# Altium PCB panneaucontrol_pcb.PcbDoc (continued)
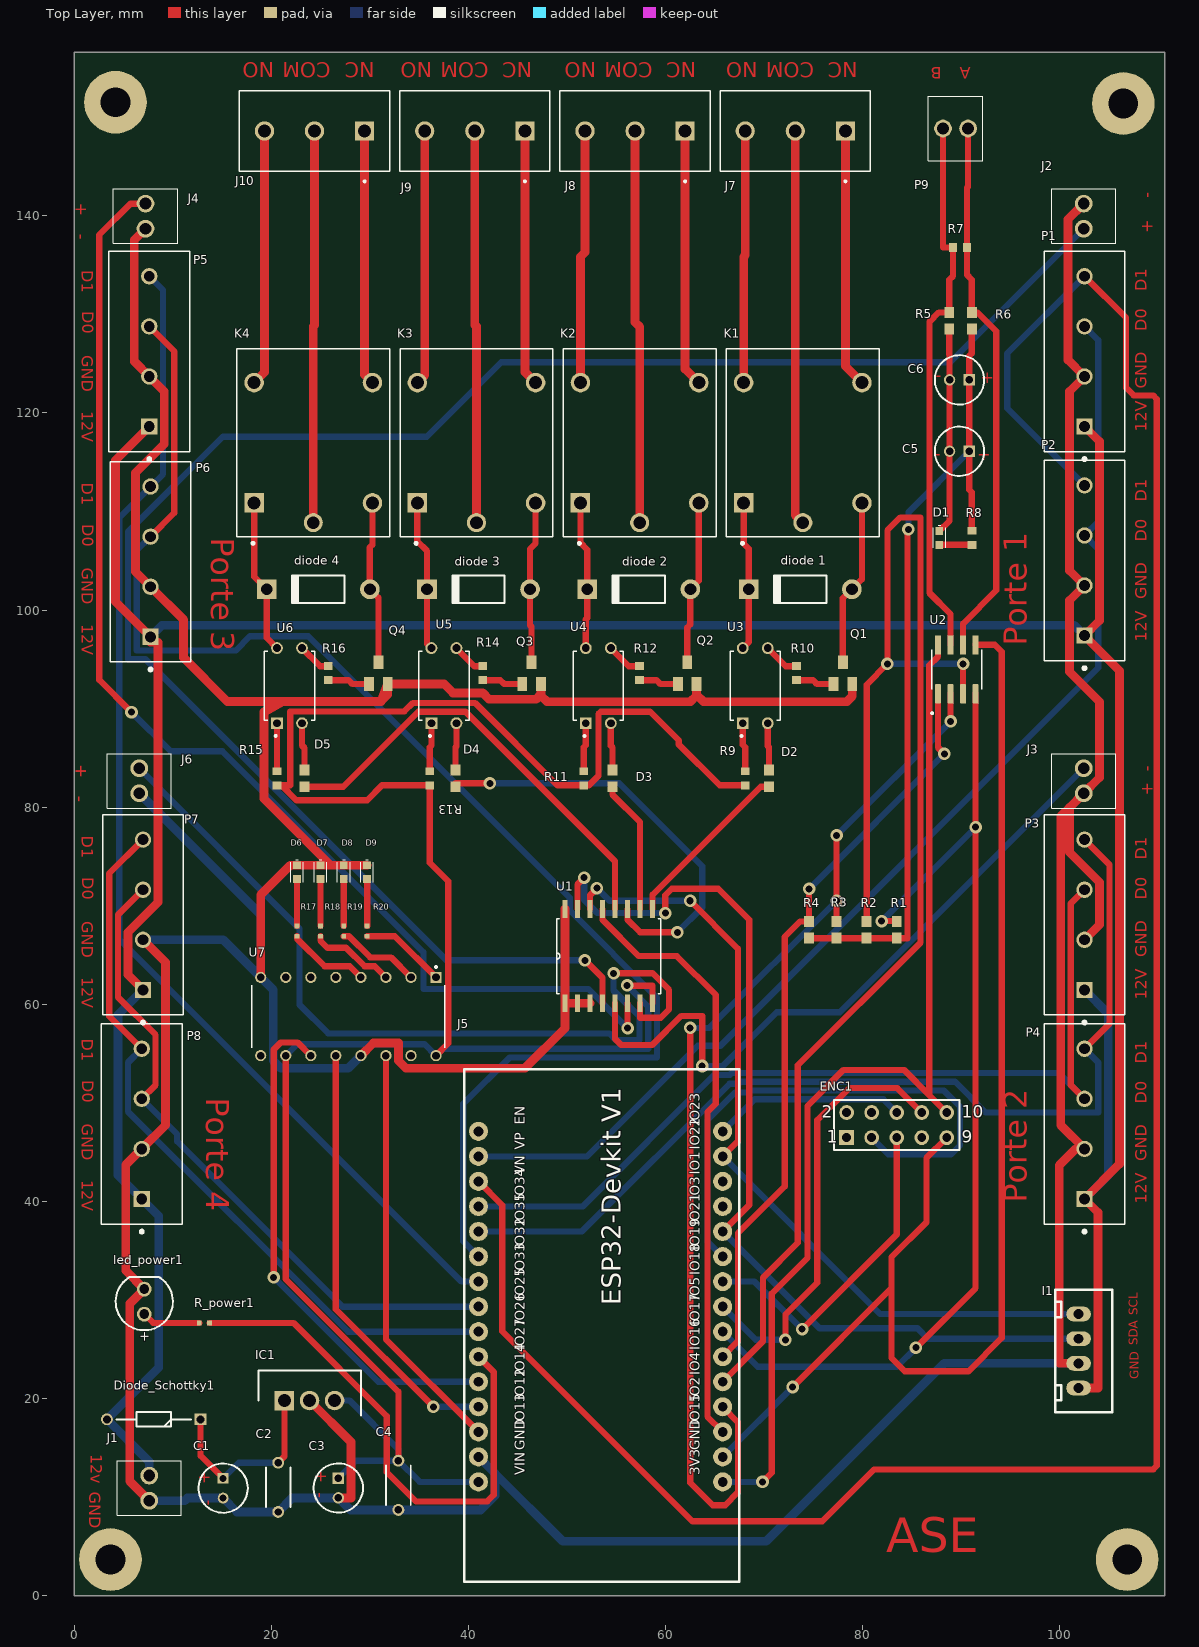
[diagram p0: Top Layer view]
## Part data
C1: library part 860010772002, "Capacitor Polarised", Manufacturer_Name="Wurth Elektronik", Mouser Part Number=710-860010772002, Datasheet Link=https://componentsearchengine.com/Datasheets/1/860010772002.pdf, Height=12.5mm, Manufacturer_Part_Number=860010772002, Mouser Price/Stock=https://www.mouser.co.uk/ProductDetail/Wurth-Elektronik/860010772002?qs=0KOYDY2FL2%2FXueoM4QQtRg%3D%3D
C2 C4: library part RDER71E104K0K1H03B, "Capacitor", Manufacturer_Name="Murata Electronics", Mouser Part Number=81-RDER71E104K0K1H3B, Arrow Part Number=RDER71E104K0K1H03B, Arrow Price/Stock=https://www.arrow.com/en/products/rder71e104k0k1h03b/murata-manufacturing?region=nac, Datasheet Link=https://psearch.en.murata.com/capacitor/product/RDER71E104K0K1H03B.html, Height=5mm, Manufacturer_Part_Number=RDER71E104K0K1H03B, Mouser Price/Stock=https://www.mouser.co.uk/ProductDetail/Murata-Electronics/RDER71E104K0K1H03B?qs=hNud%2FORuBR18qWStUKZMCw%3D%3D
C3 C5 C6: library part EEUFR1H100, "Capacitor Polarised", Manufacturer_Name=Panasonic, Arrow Part Number=EEUFR1H100, Arrow Price/Stock=https://www.arrow.com/en/products/eeufr1h100/panasonic?region=nac, Datasheet Link=http://industrial.panasonic.com/cdbs/www-data/pdf/RDF0000/ABA0000C1259.pdf, Height=12.5mm, Manufacturer_Part_Number=EEUFR1H100
D1 D6 D7 D8 D9: "LED RED CLEAR 0603 SMD", Digikey Part Number=160-1447-1-ND, Manufacturer Part Number=LTST-C191KRKT, PackageDescription="1.60mm L x 0.80mm W", PackageReference="0603 (1608 Metric)"
D2 D3 D4 D5: "Blue 470nm LED Indication - Discrete 2.8V 0603 _1608 Metric_", Package="0603 Lite-On", Digi-Key_Part_Number=160-1827-1-ND, Digi-Key_Purchase_URL=https://www.digikey.com/product-detail/en/lite-on-inc/LTST-C193TBKT-5A/160-1827-1-ND/2355044?utm_source=snapeda&utm_medium=aggregator&utm_campaign=symbol, MF="Lite-On Inc.", MP=LTST-C193TBKT-5A, SnapEDA_Link=https://www.snapeda.com/parts/LTST-C193TBKT-5A/Lite-On%20Inc./view-part/350303/?ref=snap
"diode 1" "diode 2" "diode 3" "diode 4": "1 Amp General Purpose Rectifier", PackageDescription="Diode, Axial; Body 5.2 x 2.7 mm (LxDia. max), Lead Dia. 0.86 mm (max)", PackageReference=DO-41
  "diode 1": Code_JEDEC=DO-204-AL, ComponentLink1Description="Manufacturer Link", ComponentLink1URL=http://www.fairchildsemi.com/, ComponentLink2Description=Datasheet, ComponentLink2URL=http://www.fairchildsemi.com/ds/1N%2F1N4001.pdf, DatasheetVersion=1998, LatestRevisionDate=17-Jul-2002, LatestRevisionNote="Re-released for DXP Platform.", PackageVersion=Aug-1999, Published=8-Jun-2000, Publisher="Altium Limited"
Diode_Schottky1: "Schottky Diode", Manufacturer_Name=Vishay, Mouser Part Number=625-SD103A, Arrow Part Number=SD103A-TR, Arrow Price/Stock=https://www.arrow.com/en/products/sd103a-tr/vishay?region=nac, Datasheet Link=https://componentsearchengine.com/Datasheets/5/SD103A-TR.pdf, Manufacturer_Part_Number=SD103A-TR, Mouser Price/Stock=https://www.mouser.co.uk/ProductDetail/Vishay-Semiconductors/SD103A-TR?qs=RwahMLkpD2urFD%2FzZdGOBw%3D%3D
ENC1: "Header, 5-Pin, Dual row", LatestRevisionDate=17-Jul-2002, LatestRevisionNote="Re-released for DXP Platform.", Publisher="Altium Limited"
I1: library part Connector_4Pin
IC1: "Integrated Circuit", Manufacturer_Name=STMicroelectronics, Mouser Part Number=511-L7805CV, Arrow Part Number=L7805CV, Arrow Price/Stock=https://www.arrow.com/en/products/l7805cv/stmicroelectronics?region=europe, Datasheet Link=http://www.st.com/web/en/resource/technical/document/datasheet/CD00000444.pdf, Height=4.6mm, Manufacturer_Part_Number=L7805CV, Mouser Price/Stock=https://www.mouser.co.uk/ProductDetail/STMicroelectronics/L7805CV?qs=9NrABl3fj%2FqplZAHiYUxWg%3D%3D
J1 J2 J3 J4 J6 P9: "Connector", Manufacturer_Name="TE Connectivity", Mouser Part Number=571-1546215-2, Arrow Part Number=1546215-2, Arrow Price/Stock=https://www.arrow.com/en/products/1546215-2/te-connectivity?region=nac, Datasheet Link=https://www.te.com/commerce/DocumentDelivery/DDEController?Action=srchrtrv&DocNm=1546215&DocType=Customer+Drawing&DocLang=English, Height=10.3mm, Manufacturer_Part_Number=1546215-2, Mouser Price/Stock=https://www.mouser.co.uk/ProductDetail/TE-Connectivity/1546215-2?qs=Lxq28tKK6BPmJFoAOY7Ljw%3D%3D
J5: "Dual core, Wi-Fi: 2.4 GHz up to 150 Mbits/s,BLE (Bluetooth Low Energy) and legacy Bluetooth, 32 bits, Up to 240 MHz", Package=Package, Availability=Unavailable, Check_prices=https://www.snapeda.com/parts/ESP32%20DEVKIT%20V1/Do%20it/view-part/5659245/?ref=eda, MF="Do it", MP="ESP32 DEVKIT V1", Price=None, SnapEDA_Link=https://www.snapeda.com/parts/ESP32%20DEVKIT%20V1/Do%20it/view-part/5659245/?ref=snap
J7 J8 J9 J10: "2~24 Poles, Screw Type, Horizontal, 5.08 Pitch, 26~14 (AWG), Terminal Block Connector", Package=None, Availability="In Stock", Check_prices=https://www.snapeda.com/parts/TB006-508-03BE/CUI+Devices/view-part/?ref=eda, CUI_purchase_URL=https://www.cuidevices.com/product/interconnect/connectors/terminal-blocks/tb006-508-series?utm_source=snapeda.com&utm_medium=referral&utm_campaign=snapedaBOM, MF="CUI Devices", MP=TB006-508-03BE, Price=None, Purchase-URL=https://pricing.snapeda.com/search/part/TB006-508-03BE/?ref=eda, SnapEDA_Link=https://www.snapeda.com/parts/TB006-508-03BE/CUI+Devices/view-part/?ref=snap
K1 K2 K3 K4: "5V Trigger Relay Module For Arduino And Raspberry Pi 5V Trigger Relay Module For Arduino And Raspberry Pi", Package="NON STANDARD-5 Songle Relay", Availability="Not in stock", Check_prices=https://www.snapeda.com/parts/SRD-05VDC-SL-C/Songle+Relay/view-part/?ref=eda, MF="Songle Relay", MP=SRD-05VDC-SL-C, Price=None, SnapEDA_Link=https://www.snapeda.com/parts/SRD-05VDC-SL-C/Songle+Relay/view-part/?ref=snap
led_power1: library part 15400585A3590, "WL-TIRW THT Infrared Round Waterclear, D5.8 x H8.6mm, 85mW/sr, Infrared, 1.5V, 35°", Emitting Color=Infrared, Forward Voltage=1.5V, Manufacturer="Wurth Elektronik", Operating Temperature Max=85°C, Operating Temperature Min=-40°C, Category="Infrared LEDs", Centroid Wavelength=845nm, Chip Technology=AlGaAs, ComponentLink1Description="Website Link", ComponentLink1URL=https://www.we-online.com/redexpert/article/15400585A3590?ad, ComponentLink2Description="Datasheet Link", ComponentLink2URL=https://www.we-online.com/redexpert/spec/15400585A3590?ad, Diameter=5.8mm, Height=8.6mm, Manufacturer Part Number=15400585A3590, Match Code=WL-TIRW, Mount="Through Hole", Packaging=Bulk, Peak Wavelength=850nm, Radiant Intensity=85mW/sr, Viewing Angle=35°
P1 P2 P3 P4 P5 P6 P7 P8: "4 Position Wire to Board Terminal Block Horizontal with Board 0.200 (5.08mm) Through Hole", Package=None, Availability="In Stock", Check_prices=https://www.snapeda.com/parts/282837-4/TE+Connectivity+AMP+Connectors/view-part/?ref=eda, EU_RoHS_Compliance="Compliant with Exemptions", MF="TE Connectivity", MP=282837-4, Price=None, Purchase-URL=https://pricing.snapeda.com/search/part/282837-4/?ref=eda, SnapEDA_Link=https://www.snapeda.com/parts/282837-4/TE+Connectivity+AMP+Connectors/view-part/?ref=snap
Q1 Q2 Q3 Q4: "â€¢ This device is designed for general purpose amplifier applications at collector currents to 300 mA. â€¢ Sourced from process 10.", Package="SOT-23 ON", Availability="In Stock", Check_prices=https://www.snapeda.com/parts/BCW31/Fairchild+Semiconductor/view-part/?ref=eda, MF="Fairchild Semiconductor", MP=BCW31, Price=None, Purchase-URL=https://pricing.snapeda.com/search/part/BCW31/?ref=eda, SnapEDA_Link=https://www.snapeda.com/parts/BCW31/Fairchild+Semiconductor/view-part/?ref=snap
R1 R2 R3 R4 R5 R6: library part RC0603JR-0710KA, "RESISTOR, THICK FILM, 10KOHM, 100mW, 5%", Package="0603 Yageo", Availability=Unavailable, MF=Yageo, MP=RC0603JR-0710KA, Price=None, SnapEDA_Link=https://www.snapeda.com/parts/RC0603JR-0710KA/Yageo/view-part/947164/?ref=snap
R7 R8 R9 R10 R11 R12 R13 R14 R15 R16: "Resistor", PackageDescription="Axial Device, Thru-Hole; 2 Leads; 0.3 in Pin Spacing", PackageReference=AXIAL-0.3
R17 R18 R19 R20 R_power1 U2 U7: Package=None, Availability=Unavailable, Price=None
  R17 R18 R19 R20 R_power1: MP=ERA2APB221X
  U2: MP=MAX485CSA
  U7: MP=SN74HC595N
U1: "I/O Expander 8 IÂ²C 100 kHz 20-SSOP", Package="SOIC-16 NXP Semiconductors", Availability="In Stock", Check_prices=https://www.snapeda.com/parts/PCF8574T/NXP+Semiconductors/view-part/?ref=eda, MF="NXP Semiconductors", MP=PCF8574T, Price=None, Purchase-URL=https://pricing.snapeda.com/search/part/PCF8574T/?ref=eda, SnapEDA_Link=https://www.snapeda.com/parts/PCF8574T/NXP+Semiconductors/view-part/?ref=snap
U3 U4 U5 U6: "Optoisolator Transistor Output 5000Vrms 1 Channel 4-DIP", Package="DIP-4 Lite-On Inc.", Digi-Key_Part_Number=160-2037-5-ND, Digi-Key_Purchase_URL=https://www.digikey.bg/product-detail/en/lite-on-inc/LTV-817-A/160-2037-5-ND/3199509?utm_source=snapeda&utm_medium=aggregator&utm_campaign=symbol, MF="Lite-On Inc.", MP=LTV-817-A, SnapEDA_Link=https://www.snapeda.com/parts/LTV-817-A/Lite-On%20Inc./view-part/3215369/?ref=snap

## Free pads (board coordinates)
  round 6.35 hole 3: 1(4.191,151.511) 2(106.426,151.384) 3(106.807,3.683) 4(3.683,3.683)

## Via types
v1: diameter 1.27, hole 0.711, Top Layer to Bottom Layer, 30 vias

## Nets (pads, with @x,y where several pads share a name; then routed paths per layer and width w, separated by ;. In a path a pad name is that pad's centre, name@x,y a point inside that pad or via, vN(x,y) a via of type N, cw(c..) or ccw(c..) an arc to the next point about the centre after c; other vN are vias at no path point)
5v: C3.1 C4.1 IC1.3 J5.30 R9.2 R11.2 R13.2 R15.2 U1.8 U7.10 U7.16 | length 235
  Top Layer w0.635: R15.2 21.031,82.22 ; U7.10 21.463,32.131 32.893,20.701 C4.1 ; U7.16 37.948,56.043 37.948,72.492 36.068,74.371 R13.2 31.23,82.22 29.718,80.708 22.543,80.708 21.031,82.22 ; v1(56.083,61.925) 56.134,61.874 58.674,61.874 U1.8 ; R9.2 65.481,82.22 61.341,86.36 61.341,86.769 58.42,89.69 53.419,89.69 53.188,89.459 53.188,83.185 52.222,82.22 R11.2 49.022,82.22 40.662,90.579 34.369,90.579 33.503,89.713 21.92,89.713 21.92,82.22 21.031,82.22
  Bottom Layer w0.635: U7.10 22.621,55.956 35.545,55.956 U7.16 37.391,55.486 58.229,55.486 58.229,59.779 v1(56.083,61.925) ; IC1.3 27.94,19.812 32.893,14.859 C4.1 ; C3.1 28.575,13.716 C4.1 ; J5.30 35.052,11.557 C4.1
12v: Diode_Schottky1.2 I1.1 J1.1 P1.1 P2.1 P3.1 P4.1 P5.1 P6.1 P7.1 P8.1 | length 341.8
  Top Layer w0.889: P7.1 5.461,62.992 5.461,67.31 8.509,70.358 8.509,96.723 7.747,96.723 P6.1 4.191,100.838 4.191,115.189 P5.1 ; I1.1 103.861,21.082 103.861,38.887 P4.1 106.045,43.815 106.045,93.853 P2.1 104.013,98.933 104.013,117.094 P1.1
  Bottom Layer w0.889: P7.1 4.445,58.928 4.445,42.672 P8.1 8.585,38.532 8.585,23.165 Diode_Schottky1.2 7.62,13.614 J1.1 ; P6.1 8.915,98.45 101.448,98.45 P2.1 ; P4.1 104.902,42.672 104.902,59.055 P3.1
+5: C5.1 C6.1 R1.1 R2.1 R3.1 R4.1 R6.1 R8.1 | length 82.6
  Top Layer w0.635: R4.1 R3.1 R2.1 R1.1 84.531,66.714 84.531,108.077 v1(84.633,108.179) ; R8.1 91.059,111.938 90.805,112.192 C5.1 C6.1 90.805,125.781 91.059,126.035 R6.1
  Bottom Layer w0.635: v1(84.633,108.179) 84.633,109.934 C5.1
GND: C5.2 C6.2 D1.2 R5.2 | length 20.9
  Top Layer w0.635: D1.2 88.805,109.063 C5.2 C6.2 88.805,125.882 88.773,125.914 R5.2
GND_1: C1.2 C2.2 C3.2 C4.2 D6.2 D7.2 D8.2 D9.2 I1.2 IC1.2 J1.2 J2.2 J3.2 J4.2 J5.29 J6.2 led_power1.1 P1.2 P2.2 P3.2 P4.2 P5.2 P6.2 P7.2 P8.2 Q1.E Q2.E Q3.E Q4.E U1.1 U1.2 U1.3 U1.16 U7.8 U7.13 | length 593.4
  Top Layer w0.889: P7.2 9.271,64.262 9.271,47.752 P8.2 5.232,43.713 5.232,32.995 led_power1.1 5.639,29.642 5.639,11.633 J1.2 ; J4.2 6.096,137.541 6.096,125.222 P5.2 9.144,122.174 9.144,116.84 6.223,113.919 6.223,103.886 P6.2 11.1,99.009 11.1,95.148 15.519,90.729 21.133,90.729 ; U7.8 18.923,71.12 21.909,74.106 D6.2 D7.2 25.995,74.106 ; IC1.2 28.092,15.596 28.092,9.938 C3.2 ; U7.13 30.368,56.083 32.893,56.083 32.893,54.28 33.655,53.518 45.72,53.518 49.784,57.582 U1.1 ; D9.2 28.524,74.106 D8.2 26.162,74.106 25.995,74.106 ; Q3.E 47.347,91.44 ; U1.16 U1.1 ; U1.3 U1.2 U1.1 ; Q2.E 63.138,91.421 ; Q1.E 78.928,91.247 78.387,90.706 63.853,90.706 63.138,91.421 ; I1.2 99.924,23.582 99.924,43.663 101.6,45.339 P4.2 100.076,47.752 100.076,79.071 100.965,79.96 ; J2.2 100.813,139.625 100.813,125.374 P1.2 100.965,122.174 100.965,104.013 P2.2 100.965,100.965 100.965,93.751 104.013,90.703 104.013,83.008 J3.2 100.965,79.96 ; P3.2 104.013,68.072 104.013,72.39 100.965,75.438 100.965,79.96 ; 21.133,90.729 31.115,90.729 ; 21.133,90.729 19.253,89.662 19.253,80.848 25.995,74.106 ; 31.115,90.729 Q4.E ; 31.115,90.729 31.811,91.425 Q4.E ; Q4.E 31.811,92.507 37.516,92.507 38.427,91.595 41.439,91.595 42.084,90.951 46.858,90.951 47.347,91.44 ; 47.347,91.44 47.347,91.337 47.978,90.706 62.512,90.706 63.138,91.332 63.138,91.421
  Bottom Layer w0.889: J6.2 18.923,69.088 U7.8 ; P7.2 15.113,66.548 U7.8 ; J1.2 11.227,9.652 11.497,9.922 C1.2 16.526,8.509 C2.2 22.13,9.938 C3.2 28.019,8.716 C4.2 41.253,8.716 42.697,10.16 42.697,12.416 ; U7.13 27.803,53.518 20.955,53.518 20.193,54.28 20.193,61.468 U7.8 ; J5.29 42.697,12.416 ; I1.2 88.25,23.582 70.206,5.537 49.576,5.537 42.697,12.416
NetC1_1: C1.1 C2.1 Diode_Schottky1.1 IC1.1 | length 19.7
  Top Layer w0.635: Diode_Schottky1.1 12.827,14.208 C1.1 ; C2.1 21.326,14.134 IC1.1
  Bottom Layer w0.635: C1.1 16.7,13.509 C2.1
NetD1_1: D1.1 R8.2 | length 3.3
  Top Layer w0.635: D1.1 R8.2
NetD2_1: D2.1 U1.9 | length 17.8
  Top Layer w0.635: U1.9 58.674,71.12 69.635,82.081 D2.1
NetD2_2: D2.2 U3.2 | length 4.8
  Top Layer w0.635: U3.2 70.358,86.208 70.485,86.081 D2.2
NetD3_1: D3.1 U1.10 | length 13.6
  Top Layer w0.635: D3.1 54.61,81.28 57.404,78.486 U1.10
NetD3_2: D3.2 U4.2 | length 4.8
  Top Layer w0.635: U4.2 54.441,86.225 54.61,86.055 D3.2
NetD4_1: D4.1 U1.11 | length 43.3
  Top Layer w0.635: D4.1 38.693,82.423 v1(42.164,82.423) ; U1.11 56.134,68.58 57.404,67.31 v1(61.189,67.31)
  Bottom Layer w0.635: v1(42.164,82.423) 55.296,82.423 63.703,74.016 63.703,69.825 v1(61.189,67.31)
NetD4_2: D4.2 U5.2 | length 4.8
  Top Layer w0.635: D4.2 38.693,86.106 38.777,86.191 U5.2
NetD5_1: D5.1 U1.12 | length 45.8
  Top Layer w0.635: D5.1 27.29,82.081 34.9,89.69 39.697,89.69 54.864,74.524 U1.12
NetD5_2: D5.2 U6.2 | length 4.8
  Top Layer w0.635: U6.2 23.114,86.258 23.368,86.004 D5.2
NetD6_1: D6.1 R17.1 | length 4.8
  Top Layer w0.635: R17.1 D6.1
NetD7_1: D7.1 R18.1 | length 4.8
  Top Layer w0.635: R18.1 D7.1
NetD8_1: D8.1 R19.1 | length 4.8
  Top Layer w0.635: R19.1 D8.1
NetD9_1: D9.1 R20.1 | length 4.8
  Top Layer w0.635: R20.1 D9.1
"Netdiode 1_1": "diode 1.1" K1.A2 Q1.C | length 17
  Top Layer w0.635: Q1.C 77.978,101.196 78.89,102.108 79.914,103.132 K1.A2
"Netdiode 1_2": "diode 1.2" K1.A1 U3.4 | length 15.2
  Top Layer w0.635: U3.4 68.43,96.751 68.43,102.108 68.43,106.223 67.914,106.739 K1.A1
"Netdiode 2_1": "diode 2.1" K2.A2 Q2.C | length 16.7
  Top Layer w0.635: Q2.C 62.188,98.222 62.507,98.541 62.507,102.108 63.362,102.963 K2.A2
"Netdiode 2_2": "diode 2.2" K2.A1 U4.4 | length 15.1
  Top Layer w0.635: K2.A1 51.362,106.807 52.047,106.121 52.047,102.108 52.047,99.181 51.901,99.035 U4.4
"Netdiode 3_1": "diode 3.1" K3.A2 Q3.C | length 16.5
  Top Layer w0.635: Q3.C 46.397,98.323 46.251,98.47 46.251,102.108 46.251,106.197 46.809,106.756 K3.A2
"Netdiode 3_2": "diode 3.2" K3.A1 U5.4 | length 15.3
  Top Layer w0.635: K3.A1 34.809,106.976 35.791,105.994 35.791,102.108 35.791,96.585 U5.4
"Netdiode 4_1": "diode 4.1" K4.A2 Q4.C | length 16.6
  Top Layer w0.635: K4.A2 30.257,106.612 29.995,106.35 29.995,102.108 30.861,101.242 Q4.C
"Netdiode 4_2": "diode 4.2" K4.A1 U6.4 | length 15.7
  Top Layer w0.635: K4.A1 18.257,103.386 19.535,102.108 19.535,97.178 U6.4
NetENC1_3: ENC1.3 J5.10 | length 56
  Bottom Layer w0.635: J5.10 64.237,35.966 64.237,48.26 67.043,51.067 68.479,51.067 68.669,51.257 88.24,51.257 89.865,49.632 89.865,45.72 88.951,44.806 82.575,44.806 ENC1.3
NetENC1_5: ENC1.5 J5.9 | length 33.5
  Top Layer w0.635: v1(73.838,27.051) 83.439,36.652 ENC1.5
  Bottom Layer w0.635: J5.9 69.012,31.877 v1(73.838,27.051)
NetENC1_6: ENC1.6 J5.15 | length 19.6
  Bottom Layer w0.635: J5.15 69.037,50.368 82.093,50.368 ENC1.6
NetENC1_8: ENC1.8 J5.8 | length 44.4
  Top Layer w0.635: v1(72.15,25.973) 72.15,28.513 75.387,31.75 75.387,48.26 78.638,51.511 83.49,51.511 ENC1.8
  Bottom Layer w0.635: J5.8 69.15,25.973 v1(72.15,25.973)
NetENC1_9: ENC1.9 J5.2 U2.5 | length 134.6
  Top Layer w0.635: v1(72.873,21.184) 82.906,31.217 ; ENC1.9 86.462,44.425 86.462,37.897 82.906,34.341 82.906,31.217 ; U2.5 91.44,96.469 93.396,96.469 94.107,95.758 94.107,26.162 90.729,22.784 84.252,22.784 82.906,24.13 82.906,31.217
  Bottom Layer w0.635: J5.2 v1(72.873,21.184)
NetENC1_10: ENC1.10 J5.1 U2.8 | length 107.5
  Top Layer w0.635: v1(69.825,11.557) 70.764,12.497 70.764,30.658 74.397,34.29 74.397,49.7 78.037,53.34 84.201,53.34 86.741,50.8 ; U2.8 87.63,95.275 86.741,94.386 86.741,50.8 ; ENC1.10 86.741,50.8
  Bottom Layer w0.635: J5.1 v1(69.825,11.557)
NetI1_3: I1.3 J5.11 U1.15 | length 99.7
  Top Layer w0.635: U1.15 51.054,72.161 v1(51.74,72.847) ; v1(59.969,69.266) 59.969,71.069 60.63,71.73 65.329,71.73 68.478,68.58 68.478,39.649 J5.11
  Bottom Layer w0.635: v1(51.74,72.847) 51.74,70.587 53.061,69.266 v1(59.969,69.266) ; J5.11 75.606,27.137 85.547,27.137 86.601,26.082 I1.3
NetI1_4: I1.4 J5.14 U1.14 | length 83.7
  Top Layer w0.635: U1.14 52.324,71.069 v1(53.035,71.78) ; v1(62.484,70.51) 67.335,65.659 67.335,46.126 J5.14
  Bottom Layer w0.635: v1(53.035,71.78) 54.305,70.51 v1(62.484,70.51) ; J5.14 81.781,28.582 I1.4
NetJ2_1: J2.1 U1.4 | length 186.7
  Top Layer w0.635: v1(51.816,64.465) 53.594,62.687 U1.4
  Bottom Layer w0.635: v1(51.816,64.465) 37.77,64.465 7.239,94.996 5.461,94.996 5.461,107.95 15.088,117.577 35.763,117.577 43.332,125.146 88.874,125.146 J2.1
NetJ3_1: J3.1 U1.5 | length 70.2
  Top Layer w0.635: U1.5 54.864,56.515 55.499,55.88 58.658,55.88 61.605,58.826 63.703,58.826 v1(63.703,53.746)
  Bottom Layer w0.635: v1(63.703,53.746) 65.811,53.746 71.272,59.207 77.672,59.207 J3.1
NetJ4_1: J4.1 U1.6 | length 124.1
  Top Layer w0.635: v1(5.817,89.637) 2.54,92.913 2.54,138.049 5.715,141.224 J4.1 ; v1(56.134,57.582) U1.6
  Bottom Layer w0.635: v1(5.817,89.637) 9.779,85.674 15.037,85.674 35.433,65.278 35.433,61.57 52.146,61.57 v1(56.134,57.582)
NetJ5_3: J5.3 U1.13 | length 61
  Top Layer w0.635: U1.13 53.594,68.58 57.277,64.897 61.138,64.897 65.075,60.96 65.075,49.911 64.237,49.073 64.237,18.186 J5.3
NetJ5_4: J5.4 R3.2 U2.2 | length 109.9
  Top Layer w0.635: v1(62.489,57.607) 62.489,11.476 64.77,9.195 66.04,9.195 67.335,10.49 67.335,17.628 J5.4 ; R3.2 v1(77.343,70.51) v1(77.343,77.14) ; v1(88.9,88.697) U2.2
  Bottom Layer w0.635: v1(62.489,57.607) 64.44,57.607 v1(77.343,70.51) ; v1(77.343,77.14) v1(88.9,88.697)
NetJ5_5: J5.5 R2.2 U2.3 | length 151.1
  Top Layer w0.635: J5.5 69.875,25.806 69.875,32.283 73.406,35.814 73.406,53.823 85.852,66.269 85.852,109.398 83.82,109.398 82.499,108.077 v1(82.499,94.539) 80.391,92.431 R2.2 ; U2.3 v1(90.17,94.539)
  Bottom Layer w0.635: v1(82.499,94.539) v1(90.17,94.539)
NetJ5_6: J5.6 R4.2 U2.1 | length 77.3
  Top Layer w0.635: J5.6 67.335,25.806 67.335,36.779 72.085,41.529 72.085,66.839 73.66,68.414 R4.2 v1(74.549,71.704) ; U2.1 87.63,86.055 v1(88.265,85.42)
  Bottom Layer w0.635: v1(74.549,71.704) v1(88.265,85.42)
NetJ5_7: J5.7 R1.2 U2.4 | length 105.8
  Top Layer w0.635: v1(81.915,68.453) 83.439,68.453 R1.2 ; v1(85.395,25.171) 91.44,31.217 v1(91.44,77.978) U2.4
  Bottom Layer w0.635: J5.7 69.342,23.241 83.464,23.241 v1(85.395,25.171) ; v1(81.915,68.453) v1(91.44,77.978)
NetJ5_17: J5.17 P1.3 P2.3 | length 119.8
  Bottom Layer w0.635: J5.17 52.031,44.577 63.265,55.811 65.565,55.811 103.886,94.132 103.886,106.172 P2.3 103.886,108.966 103.886,127.381 P1.3
NetJ5_18: J5.18 P1.4 P2.4 | length 245.4
  Top Layer w0.635: J5.18 43.434,39.619 43.434,26.848 62.713,7.569 75.895,7.569 81.153,12.827 109.458,12.827 109.83,13.199 109.83,121.396 109.458,121.768 107.493,121.768 106.705,122.555 106.705,129.642 P1.4
  Bottom Layer w0.635: P2.4 94.666,120.472 94.666,126.035 P1.4
NetJ5_19: J5.19 P3.3 P4.3 | length 90.5
  Top Layer w0.635: P4.3 101.092,51.816 101.092,70.231 P3.3
  Bottom Layer w0.635: J5.19 51.578,39.497 64.926,52.845 66.51,52.845 66.701,53.035 99.873,53.035 P4.3
NetJ5_20: J5.20 P3.4 P4.4 | length 100.8
  Top Layer w0.635: P4.4 105.029,58.039 105.029,74.168 P3.4
  Bottom Layer w0.635: J5.20 51.486,36.957 66.484,51.956 67.399,51.956 67.59,52.146 89.357,52.146 92.481,49.022 103.886,49.022 103.886,54.102 P4.4
NetJ5_21: J5.21 P5.3 P6.3 | length 148.6
  Top Layer w0.635: P5.3 10.16,126.238 10.16,109.855 P6.3
  Bottom Layer w0.635: P6.3 6.35,106.045 6.35,95.885 16.383,95.885 17.831,97.333 23.749,97.333 50.26,70.822 50.26,69.538 59.118,60.679 59.118,54.597 44.158,54.597 39.472,49.911 39.472,35.961 J5.21
NetJ5_22: J5.22 P5.4 P6.4 | length 120.5
  Bottom Layer w0.635: P5.4 9.017,132.461 9.017,113.792 P6.4 4.572,109.347 4.572,66.598 39.294,31.877 J5.22
NetJ5_23: J5.23 P7.3 P8.3 | length 67.7
  Top Layer w0.635: P8.3 8.255,51.816 8.255,56.896 4.445,60.706 4.445,69.088 P7.3
  Bottom Layer w0.635: P8.3 10.439,46.838 10.439,46.126 27.229,29.337 J5.23
NetJ5_24: J5.24 P7.4 P8.4 | length 75.8
  Top Layer w0.635: P8.4 3.556,58.801 3.556,73.279 P7.4
  Bottom Layer w0.635: P8.4 5.461,54.102 5.461,49.123 27.788,26.797 J5.24
NetJ5_25: J5.25 R_power1.1 | length 54.6
  Top Layer w0.635: R_power1.1 22.25,27.686 31.699,18.237 31.699,12.548 34.671,9.576 41.91,9.576 42.57,10.236 42.57,22.703 J5.25
NetJ5_26: J5.26 U7.11 | length 52.9
  Top Layer w0.635: v1(20.244,32.309) 20.244,55.423 20.955,56.134 22.667,56.134 U7.11
  Bottom Layer w0.635: v1(20.244,32.309) 30.836,21.717 J5.26
NetJ5_27: J5.27 U7.12 | length 44.3
  Top Layer w0.635: U7.12 26.543,29.083 v1(36.449,19.177)
  Bottom Layer w0.635: v1(36.449,19.177) J5.27
NetJ5_28: J5.28 U7.14 | length 42.1
  Top Layer w0.635: U7.14 31.623,26.03 J5.28
NetJ6_1: J6.1 U1.7 | length 87.6
  Top Layer w0.635: v1(54.712,63.144) 58.674,63.144 60.35,61.468 60.35,59.487 59.512,58.649 57.404,58.649 U1.7
  Bottom Layer w0.635: J6.1 22.86,67.691 22.86,59.969 25.781,57.048 54.28,57.048 54.953,56.375 57.34,56.375 57.34,58.776 54.712,61.404 v1(54.712,63.144)
NetJ7_1: J7.1 K1.NO | length 26.2
  Top Layer w0.889: J7.1 78.232,124.749 K1.NO
NetJ7_2: J7.2 K1.COM | length 40
  Top Layer w0.889: J7.2 73.152,109.629 K1.COM
NetJ7_3: J7.3 K1.NC | length 25.6
  Top Layer w0.889: K1.NC 67.914,135.839 68.072,135.997 J7.3
NetJ8_1: J8.1 K2.NO | length 26.1
  Top Layer w0.889: J8.1 61.976,124.453 K2.NO
NetJ8_2: J8.2 K2.COM | length 39.9
  Top Layer w0.889: J8.2 56.896,129.193 57.362,128.727 K2.COM
NetJ8_3: J8.3 K2.NC | length 25.7
  Top Layer w0.889: K2.NC 51.362,135.839 51.816,136.294 J8.3
NetJ9_1: J9.1 K3.NO | length 26
  Top Layer w0.889: J9.1 45.72,124.156 K3.NO
NetJ9_2: J9.2 K3.COM | length 39.8
  Top Layer w0.889: J9.2 40.64,128.922 40.809,128.753 K3.COM
NetJ9_3: J9.3 K3.NC | length 25.8
  Top Layer w0.889: K3.NC 35.56,123.818 J9.3
NetJ10_1: J10.1 K4.NO | length 25.9
  Top Layer w0.889: J10.1 29.464,123.86 K4.NO
NetJ10_2: J10.2 K4.COM | length 39.8
  Top Layer w0.889: K4.COM 24.257,128.753 24.384,128.88 J10.2
NetJ10_3: J10.3 K4.NC | length 26
  Top Layer w0.889: K4.NC 19.304,124.114 J10.3
Netled_power1_2: led_power1.2 R_power1.2 | length 6
  Top Layer w0.635: led_power1.2 8.001,27.686 R_power1.2
NetP9_1: P9.1 R6.2 R7.2 U2.6 | length 55.4
  Top Layer w0.635: U2.6 90.17,98.628 93.548,102.006 93.548,128.27 91.625,130.193 R6.2 91.059,133.502 90.576,133.985 R7.2 90.576,142.824 90.678,142.926 P9.1
NetP9_2: P9.2 R5.1 R7.1 U2.7 | length 55.9
  Top Layer w0.635: P9.2 88.138,136.779 R7.1 89.154,133.883 88.773,133.502 R5.1 87.724,130.193 86.766,129.235 86.766,101.727 88.9,99.593 U2.7
NetQ1_B: Q1.B R10.2 | length 3.9
  Top Layer w0.635: R10.2 74.955,92.888 75.344,92.499 Q1.B
NetQ2_B: Q2.B R12.2 | length 4
  Top Layer w0.635: R12.2 59.08,92.888 59.469,92.499 Q2.B
NetQ3_B: Q3.B R14.2 | length 4.2
  Top Layer w0.635: R14.2 43.231,92.888 43.62,92.499 Q3.B
NetQ4_B: Q4.B R16.2 | length 4.3
  Top Layer w0.635: R16.2 27.838,92.888 28.227,92.499 Q4.B
NetR9_1: R9.1 U3.1 | length 5
  Top Layer w0.635: U3.1 67.818,86.335 68.072,86.081 R9.1
NetR10_1: R10.1 U3.3 | length 3.7
  Top Layer w0.635: U3.3 72.187,94.31 R10.1
NetR11_1: R11.1 U4.1 | length 5
  Top Layer w0.635: R11.1 51.689,86.081 51.901,86.292 U4.1
NetR12_1: R12.1 U4.3 | length 3.7
  Top Layer w0.635: U4.3 56.269,94.31 R12.1
NetR13_1: R13.1 U5.1 | length 4.9
  Top Layer w0.635: R13.1 36.068,86.081 36.237,86.25 U5.1
NetR14_1: R14.1 U5.3 | length 3.4
  Top Layer w0.635: U5.3 40.606,94.31 R14.1
NetR15_1: R15.1 U6.1 | length 4.9
  Top Layer w0.635: R15.1 U6.1
NetR16_1: R16.1 U6.3 | length 3.4
  Top Layer w0.635: U6.3 24.943,94.31 R16.1
NetR17_2: R17.2 U7.4 | length 8.4
  Top Layer w0.635: R17.2 22.606,66.669 25.4,63.875 27.946,63.875 U7.4
NetR18_2: R18.2 U7.3 | length 8.6
  Top Layer w0.635: R18.2 24.977,66.472 25.694,65.754 27.578,65.754 29.458,63.875 30.486,63.875 U7.3
NetR19_2: R19.2 U7.2 | length 8.5
  Top Layer w0.635: R19.2 27.881,66.921 30.039,64.764 32.137,64.764 U7.2
NetR20_2: R20.2 U7.1 | length 8.7
  Top Layer w0.635: R20.2 32.52,66.921 U7.1
pads on no net: ENC1.1 ENC1.2 ENC1.4 ENC1.7 J5.12 J5.13 J5.16 U7.5 U7.6 U7.7 U7.9 U7.15

## Other copper
Top Layer:
  text "NO" at 20.32,155.575 h1.52 r180
  text "COM" at 26.035,155.575 h1.52 r180
  text "NC" at 30.48,155.575 h1.52 r180
  text "NO" at 36.322,155.575 h1.52 r180
  text "COM" at 42.037,155.575 h1.52 r180
  text "NC" at 46.482,155.575 h1.52 r180
  text "NO" at 52.959,155.575 h1.52 r180
  text "COM" at 58.674,155.575 h1.52 r180
  text "NC" at 63.119,155.575 h1.52 r180
  text "NO" at 69.342,155.575 h1.52 r180
  text "COM" at 75.057,155.575 h1.52 r180
  text "NC" at 79.502,155.575 h1.52 r180
  text "B" at 88.011,155.454 h2 r180
  text "A" at 90.932,155.454 h2 r180
  text "-" at 108.111,142.367 h2 r270
  text "+" at 1.656,139.954 h2 r90
  text "+" at 107.945,139.573 h2 r270
  text "-" at 1.49,137.541 h2 r90
  text "D1" at 0.381,134.493 h2 r270
  text "D1" at 109.22,132.334 h2 r90
  text "D0" at 0.392,130.302 h2 r270
  text "D0" at 109.209,128.27 h2 r90
  text "GND" at 0.384,125.857 h2 r270
  text "-" at 87.376,122.847 h2
  text "+" at 91.948,122.624 h2
  text "GND" at 109.217,122.428 h2 r90
  text "12V" at 0.381,120.142 h2 r270
  text "12V" at 109.22,118.11 h2 r90
  text "+" at 92.964,116.644 h2 r180
  text "-" at 87.884,116.548 h2 r180
  text "D1" at 0.381,112.903 h2 r270
  text "D1" at 109.22,110.998 h2 r90
  text "D0" at 0.392,108.712 h2 r270
  text "Porte 3" at 13.129,107.315 h4 r270
  text "D0" at 109.209,106.934 h2 r90
  text "GND" at 0.384,104.267 h2 r270
  text "GND" at 109.217,101.092 h2 r90
  text "12V" at 0.381,98.552 h2 r270
  text "12V" at 109.22,96.774 h2 r90
  text "Porte 1" at 97.407,96.393 h4 r90
  text "-" at 108.111,84.201 h2 r270
  text "+" at 1.656,82.99 h2 r90
  text "+" at 1.656,82.931 h2 r90
  text "+" at 107.945,82.55 h2 r270
  text "-" at 1.319,80.577 h2 r90
  text "-" at 1.319,80.518 h2 r90
  text "D1" at 0.381,77.089 h2 r270
  text "D1" at 109.22,74.676 h2 r90
  text "D0" at 0.392,72.898 h2 r270
  text "D0" at 109.209,70.612 h2 r90
  text "GND" at 0.384,68.453 h2 r270
  text "GND" at 109.217,64.77 h2 r90
  text "12V" at 0.381,62.738 h2 r270
  text "12V" at 109.22,60.452 h2 r90
  text "D1" at 0.381,56.515 h2 r270
  text "D1" at 109.22,53.975 h2 r90
  text "D0" at 0.392,52.324 h2 r270
  text "Porte 4" at 12.614,50.546 h4 r270
  text "D0" at 109.209,49.911 h2 r90
  text "GND" at 0.384,47.879 h2 r270
  text "GND" at 109.217,44.069 h2 r90
  text "12V" at 0.381,42.164 h2 r270
  text "Porte 2" at 97.368,39.878 h4 r90
  text "12V" at 109.22,39.751 h2 r90
  text "SCL" at 108.187,28.448 h1.5 r90
  text "SDA" at 108.187,25.4 h1.5 r90
  text "GND" at 108.314,21.971 h1.5 r90
  text "12v" at 1.27,14.351 h2 r270
  text "+" at 25.966,11.43 h2 r90
  text "+" at 14.155,11.303 h2 r90
  text "GND" at 1.143,10.541 h2 r270
  text "-" at 25.743,9.906 h2 r90
  text "-" at 14.44,9.144 h2 r90
  text "ASE" at 82.362,3.247 h6

## Text inside footprints (layer, text, board x,y; h text height)
ENC1: Top Overlay "10" at 90.043,48.514 h1.27; Top Overlay "9" at 90.043,45.974 h1.27; Top Overlay "1" at 76.327,45.974 h1.27; Top Overlay "2" at 75.819,48.514 h1.27
J5: Top Overlay "ESP32-Devkit V1" at 55.426,29.497 h1.93 r90; Top Overlay "EN" at 45.726,47.797 h1.02 r90; Top Overlay "VP" at 45.726,45.257 h1.02 r90; Top Overlay "VN" at 45.726,42.717 h1.02 r90; Top Overlay "IO34" at 45.726,40.177 h1.02 r90; Top Overlay "IO35" at 45.726,37.637 h1.02 r90; Top Overlay "IO32" at 45.726,35.097 h1.02 r90; Top Overlay "IO33" at 45.726,32.557 h1.02 r90; Top Overlay "IO25" at 45.726,30.017 h1.02 r90; Top Overlay "IO26" at 45.726,27.477 h1.02 r90; Top Overlay "IO27" at 45.726,24.937 h1.02 r90; Top Overlay "IO14" at 45.726,22.397 h1.02 r90; Top Overlay "IO12" at 45.726,19.857 h1.02 r90; Top Overlay "IO13" at 45.726,17.317 h1.02 r90; Top Overlay "GND" at 45.726,14.777 h1.02 r90; Top Overlay "VIN" at 45.726,12.237 h1.02 r90; Top Overlay "IO23" at 63.446,47.777 h1.02 r90; Top Overlay "IO22" at 63.446,45.237 h1.02 r90; Top Overlay "IO1" at 63.446,42.697 h1.02 r90; Top Overlay "IO3" at 63.446,40.157 h1.02 r90; Top Overlay "IO21" at 63.446,37.617 h1.02 r90; Top Overlay "IO19" at 63.446,35.077 h1.02 r90; Top Overlay "IO18" at 63.446,32.537 h1.02 r90; Top Overlay "IO5" at 63.446,29.997 h1.02 r90; Top Overlay "IO17" at 63.446,27.457 h1.02 r90; Top Overlay "IO16" at 63.446,24.917 h1.02 r90; Top Overlay "IO4" at 63.446,22.377 h1.02 r90; Top Overlay "IO2" at 63.446,19.837 h1.02 r90; Top Overlay "IO15" at 63.446,17.297 h1.02 r90; Top Overlay "GND" at 63.446,14.757 h1.02 r90; Top Overlay "3V3" at 63.446,12.217 h1.02 r90; Mechanical 13 "ESP32-DEVKITV1" at 69.486,39.427 h1.27 r90
led_power1: Top Overlay "+" at 7.562,25.745 h1.02 r90